# KiCad board MEP-MAXI-85V-1-REV-2-Interface-Board.kicad_pcb (continued)
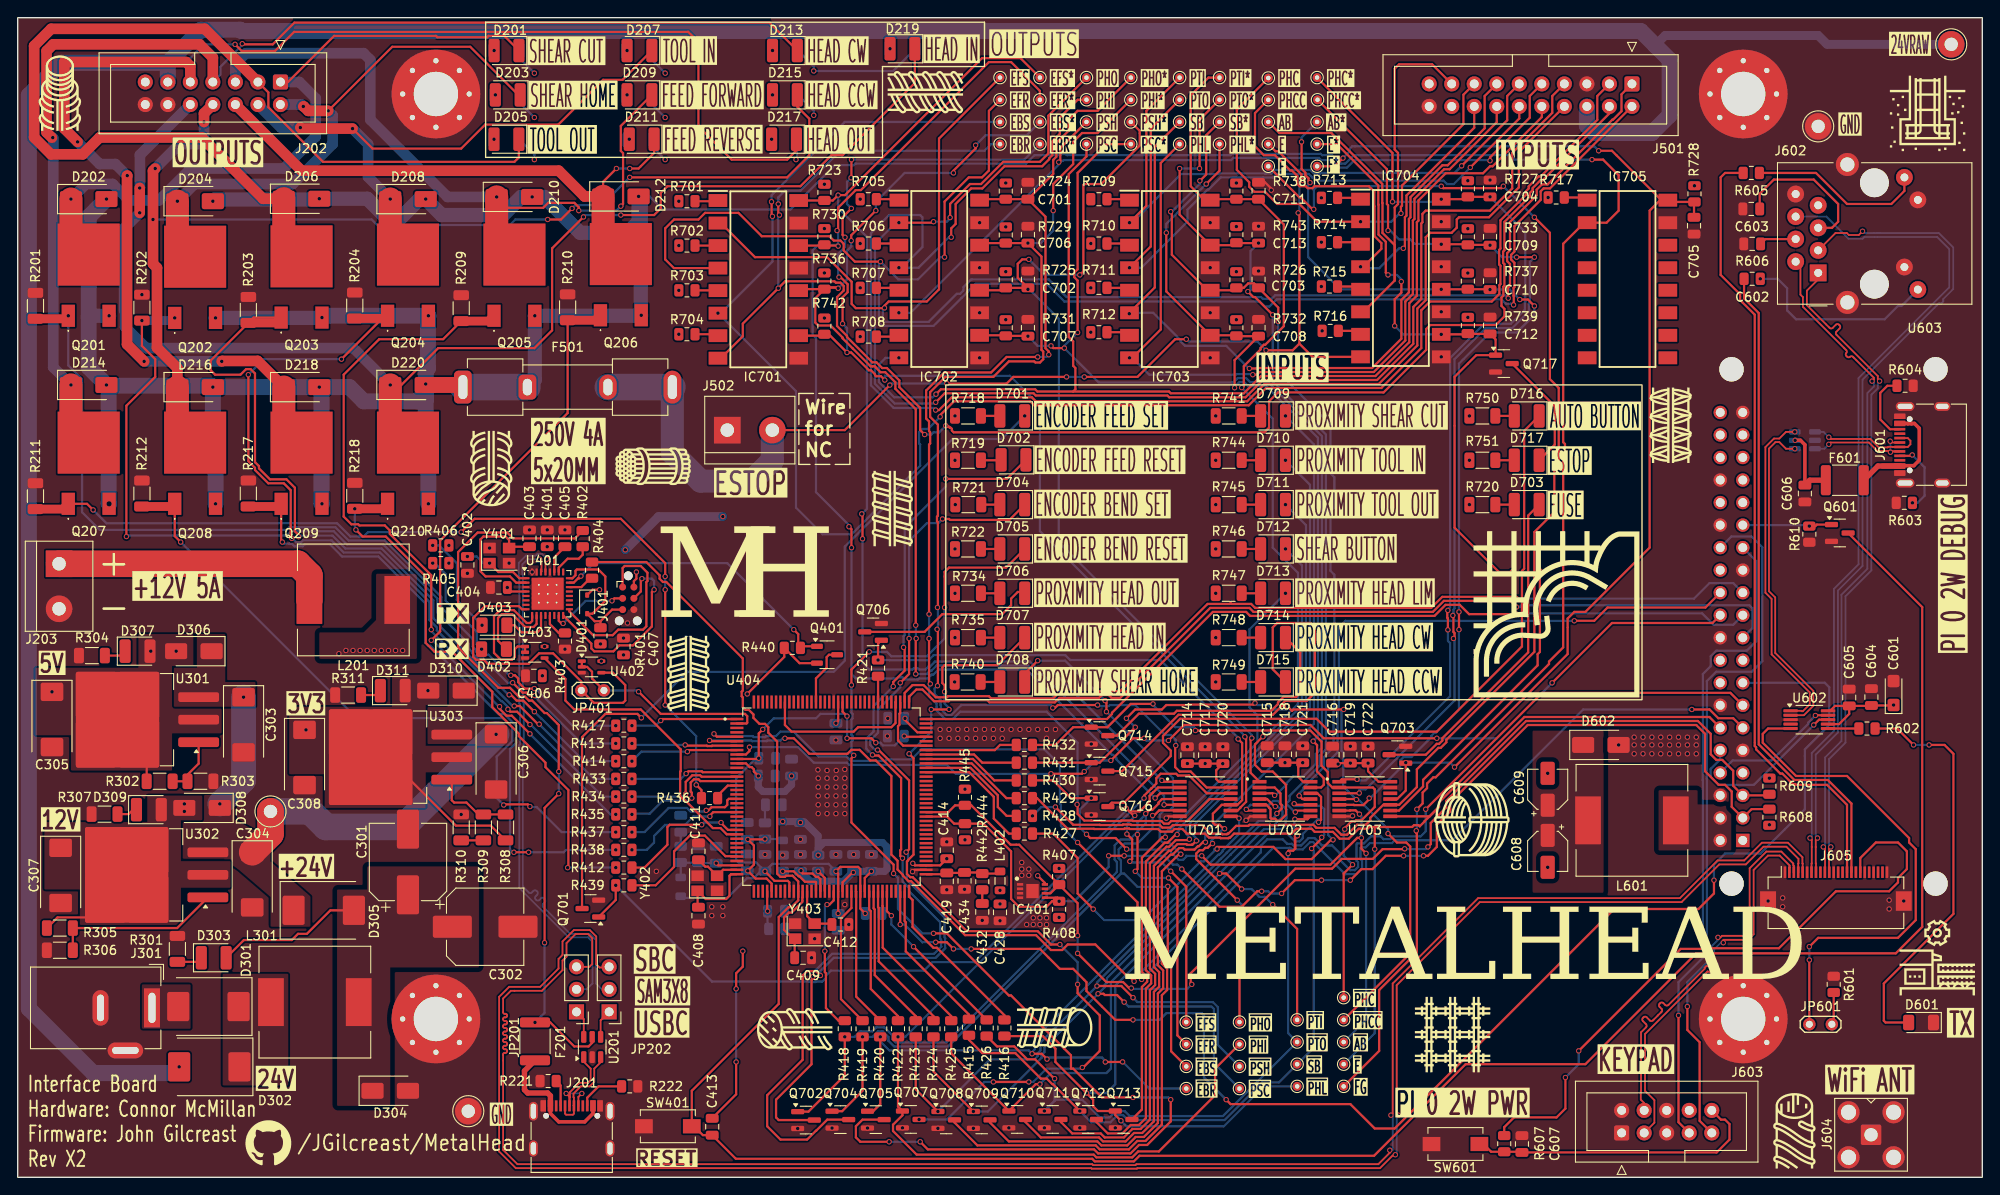
[diagram p0: board, top side]
## Routing (per net, layer and track width the routed paths; a pad name or vN(x,y) marks a point on that pad's centre or on a via; arc(x,y) is an arc through that point) (continued)
/Pi Zero 2W SBC/EPHY-TXP: length 75.6
  Top w0.2: v1(204.43,37.25) 204.23,37.05 204.23,34.42 J605.11 ; J602.R1 203,101.25 201.72,99.97 201.72,98.34 204.29,95.78 arc(204.46,95.71) 204.63,95.78 205,96.14 arc(205.17,96.21) 205.34,96.14 205.42,96.06 arc(205.49,95.89) 205.42,95.72 205.06,95.35 arc(204.99,95.18) 205.06,95.01 209.73,90.34 209.73,89.97 v1(209.93,89.78)
  Bottom w0.2: v1(204.43,37.25) 204.23,37.45 204.23,47.16 206.07,49.01 206.07,65.51 209,68.43 209,88.25 209.73,88.98 209.73,89.58 v1(209.93,89.78)
/Pi Zero 2W SBC/PC15: length 89.3
  Top w0.25: J605.15 206.25,42 204,44.25 200.5,44.25 200.4,44.35 200.13,44.35 198.95,45.52 198.73,45.52 196,48.25 196,48.47 195.85,48.63 195.85,97.26 194.19,98.92 194.19,99.56 192,101.75 192,112.75 192.5,113.25 194.54,113.25
/Pi Zero 2W SBC/PC16: length 74.1
  Top w0.25: J605.16 206.75,42.14 204.09,44.8 200.31,44.8 196.3,48.81 196.3,97.45 194.65,99.1 R606.2
/Pi Zero 2W SBC/PI0/ATSAM3X8E-RESET: length 10.1
  Top w0.25: v1(202,73.42) 202.68,73.42 202.85,73.6 Q601.1
  Bottom w0.25: U603.29 201.88,73.54 v1(202,73.42)
/Pi Zero 2W SBC/PWRON: length 71.6
  Top w0.25: R607.1 167.6,5.65 168.7,6.75 173.5,6.75 174.5,7.75 v1(174.5,11.25) ; J605.18 207.75,36 209.5,37.75 212,37.75 213,36.75 213,34.75 212,33.75 212,33.25 211,32.25 205,32.25 198.57,25.82 190.43,25.82 190.35,25.75 187.5,25.75 v1(176,14.25)
  Bottom w0.25: v1(174.5,11.25) 176,12.75 v1(176,14.25)
/Pi Zero 2W SBC/PWRSW: length 33.6
  Top w0.25: J603.10 192.04,6.5 192.5,6.5 193,6 193,4.25 191.55,2.8 C607.1 169.53,2.88 R607.2 166.12,2.88 165.25,3.75 SW601.1
/Pi Zero 2W SBC/TNOW: length 3.5
  Top w0.25: R602.2 U602.6
/Pi Zero 2W SBC/TWI2_SCL/UART3_TX: length 78.9
  Top w0.25: J603.9 189.64,6.36 189.64,15.23 188.25,16.62 v1(188.25,19.25) 188.25,19.35
  Bottom w0.25: v1(188.25,19.25) 188.25,22 190.45,24.2 190.45,44.95 190.43,44.97 190.43,46.23 190.45,46.25 190.45,55.95 191.5,57 195.5,57 196.7,58.2 196.7,71.05 195.5,72.25 193.21,72.25 U603.28
/Pi Zero 2W SBC/TWI2_SDA/UART3_RX: length 72.8
  Top w0.25: v1(187.25,18.25) 187.25,6.21 J603.7
  Bottom w0.25: v1(187.25,18.25) 187.25,22 190,24.75 190,44.76 189.98,44.78 189.98,46.42 190,46.44 190,56.75 190.88,57.63 190.88,58.75 191.51,59.38 194.95,59.38 196.03,60.46 196.03,69.47 U603.27
/Pi Zero 2W SBC/UART0_RX: length 20.1
  Top w0.25: U602.8 203.1,51.6 v1(202.5,51)
  Bottom w0.25: U603.10 191.96,47.13 190.88,46.05 190.88,45.15 191.78,44.25 195.75,44.25 v1(202.5,51)
/Pi Zero 2W SBC/UART0_TX: length 14.9
  Top w0.25: U602.9 202.72,52.1 v1(202.69,52.07)
  Bottom w0.25: v1(202.69,52.07) 202.69,52.07 201.88,51.26 201.88,51.12 197.75,47 193.36,47 U603.8
/Pi Zero 2W SBC/USB3-D+: length 45
  Top w0.2: J605.3 200.25,35.13 200.19,35.19 200.19,35.38 198.84,36.72 197.16,36.72 195.28,34.84 195.28,27.59 194.91,27.22 192.16,27.22 191.98,27.05 v1(191.7,27.05) ; v1(191.07,23.78) 190.78,23.78 190.76,23.8 190.38,23.8 190.2,23.62 190.2,23.52 186.1,19.42 arc(185.93,19.35) 185.76,19.42 185.54,19.65 arc(185.37,19.72) 185.2,19.65 185.11,19.56 arc(185.04,19.39) 185.11,19.22 185.34,19 arc(185.41,18.83) 185.34,18.66 184.36,17.68 arc(184.19,17.61) 184.02,17.68 183.65,18.05 arc(183.48,18.12) 183.31,18.05 183.23,17.96 arc(183.16,17.79) 183.23,17.62 183.6,17.25 arc(183.67,17.08) 183.6,16.91 183.03,16.34 183.03,9.75 183,9.72 183,8.75 183.38,8.37 J603.4
  Bottom w0.2: v1(191.7,27.05) 191.7,26.77 190.88,25.94 190.88,23.98 v1(191.07,23.78)
/Pi Zero 2W SBC/USB3-D-: length 44.9
  Top w0.2: J605.2 199.75,34.9 199.78,34.92 199.78,35.16 198.66,36.28 197.34,36.28 195.72,34.66 195.72,27.41 195.09,26.78 192.34,26.78 192.3,26.73 v1(192.3,26.45) ; J603.3 184.53,6.15 184.53,8.69 183.47,9.75 183.47,16.16 190.52,23.2 190.53,23.18 190.8,23.18 190.87,23.11 190.87,23.04 190.88,23.04 191.09,23.04 191.13,23 v1(191.13,22.98)
  Bottom w0.2: v1(191.13,22.98) 191.13,23 191.09,23.04 190.93,23.04 190.93,23.18 191.32,23.18 191.68,23.53 191.68,24.03 191.32,24.38 191.28,24.38 191.28,25.71 192.02,26.45 v1(192.3,26.45)
/Pi Zero 2W SBC/VUSB: length 15.2
  Top w0.4: J601.A9 213.07,85 213.1,84.96 213.54,84.96 213.57,85 213.85,85 214.4,84.45 214.4,80.85 213.79,80.24 212.24,80.24 J601.A4
  Top w0.6: F601.1 209.74,80.2 J601.A4 210.25,80.2
/Pi Zero 2W SBC/VUSB-FUSED: length 8.5
  Top w0.4: C606.1 201.5,82.6 201,83.1 v1(200.4,83.1) U601.5
  Top w0.6: F601.2 202.05,78.6 C606.1
/Pi Zero 2W SBC/~{CTS}: length 56.9
  Top w0.25: U602.5 197.35,50.6 196.75,50 196.75,49 200.5,45.25 206.25,45.25 213.25,38.25 213.25,37.75 214,37 214,29 212,27 203,27 v1(202,26) ; JP601.1 v1(202,24.5)
  Bottom w0.25: v1(202,24.5) v1(202,26)
/Signal Processing/AUTO_BUTTON: length 64.3
  Top w0.25: 155.25,101.12 151.72,97.59 IC704.6 ; 155.25,101.12 155.25,105.12 153.88,106.49 153.88,109.85 153.85,109.88 153.85,112.01 148.11,117.75 142.25,117.75 TP733.1 ; 155.25,101.12 155.25,109.37 155.62,109.74 155.62,115.51 155.25,115.89 155.25,125 155.75,125.5 159.47,125.5 J501.17
/Signal Processing/AUTO_BUTTON*: length 113.7
  Top w0.25: v1(145.71,112.16) 145.53,112.33 145.53,112.64 145.18,112.99 145.18,113.28 144.75,113.71 v1(144.75,116.75) ; v1(166,100.1) 165.96,100.14 R737.2 163.49,100.13 v1(160.5,100.13) ; U703.5 150.64,42 150.67,41.97 151.72,41.97 152.38,42.62 v1(152.38,42.75) ; v1(171,98.25) 170.28,98.97 v1(169.35,98.97) ; v1(162.5,61.75) v1(162.5,63.75)
  Bottom w0.25: v1(162.5,61.75) 162.5,52.75 159.88,50.12 159.74,50.12 159.38,49.76 159.38,49.62 157.12,47.38 156.24,47.38 155.88,47.01 155.88,46.12 152.5,42.75 v1(152.38,42.75) ; v1(166,100.1) 168.23,100.1 v1(169.35,98.97) ; v1(144.75,116.75) 144.75,117.25 TP737.1 ; v1(145.71,112.16) 145.66,112.16 145.5,112 145.5,103.75 149.12,100.13 v1(160.5,100.13) ; v1(162.5,63.75) 162.5,91.75 166,95.25 169,95.25 171,97.25 v1(171,98.25)
/Signal Processing/ENCODER_BEND_RESET: length 182.3
  Top w0.25: v1(104.64,84.74) 104.69,84.74 104.74,84.69 104.85,84.69 104.94,84.6 104.95,84.6 104.97,84.63 104.99,84.63 105.11,84.51 105.11,84.51 105.12,84.51 105.14,84.51 105.14,84.51 105.21,84.51 105.33,84.39 105.33,84.2 105.53,84 140.56,84 141.09,84.53 141.09,87.5 142.09,88.5 154,88.5 158.8,93.3 158.8,95.65 159.25,96.1 166.65,96.1 167.62,97.08 167.62,97.92 167.29,98.25 167.29,99.21 167.5,99.42 167.5,100.41 167.62,100.53 167.62,102.97 167.47,103.12 167.47,104.38 167.62,104.53 167.62,107.73 170.5,110.6 170.5,111 170.81,111.31 170.81,111.55 171.67,112.41 171.91,112.41 179.46,119.96 J501.4 ; v1(85.75,109.75) 85.75,108.66 85.88,108.53 v1(85.88,108.5) ; IC701.8 79.28,92.36 81.75,94.84 81.75,96.25 v1(85.75,100.25) 86.53,101.03 92.09,101.03 92.24,100.88 92.76,100.88 93.12,100.51 93.12,99.99 92.38,99.24 92.38,95.99 93.5,94.87 93.5,94.74 96.35,91.89 96.82,91.89 97.47,91.25 98,91.25 99.4,89.85 99.4,89.1 101.7,86.8 101.7,86.8 101.75,86.75 101.75,84.25 v1(102.25,83.75)
  Bottom w0.25: v1(85.75,109.75) 85.75,110.5 86.5,111.25 88.25,111.25 92.75,115.75 109,115.75 109.75,116.5 TP743.1 ; v1(85.88,108.5) 85.85,108.5 85.75,108.4 v1(85.75,100.25) ; v1(104.64,84.74) 103.9,84 103.25,84 103,83.75 v1(102.25,83.75)
/Signal Processing/ENCODER_BEND_RESET*: length 133.7
  Top w0.25: IC701.10 91.6,94.9 v1(93.5,93) 93.97,93 95.98,90.99 96.2,90.99 96.66,90.54 96.66,90.44 96.78,90.32 97.33,90.32 v1(97.76,89.89) ; U701.9 137.53,41.35 137.88,41.69 137.88,41.72 138.5,42.34 138.5,49.52 v1(138.36,49.67) ; v1(94,114.75) 94,112.75 v1(93.96,112.71) ; v1(92.6,101.5) 92.77,101.5 93.58,100.7 93.58,99.8 93,99.23 v1(93,96.25) ; v1(93.27,105.99) 93,106.27 93,108.25 93.99,109.24 v1(93.99,109.25)
  Bottom w0.25: v1(97.76,89.89) 97.76,90.36 97.78,90.38 111.88,90.38 115.25,87 115.25,72.87 138.38,49.74 138.38,49.67 138.37,49.67 v1(138.36,49.67) ; v1(94,114.75) 113.5,114.75 TP747.1 ; v1(93.96,112.71) 93.5,112.25 93.5,109.74 v1(93.99,109.25) ; v1(93.27,105.99) 93.27,104.89 92.5,104.12 92.5,101.6 v1(92.6,101.5) ; v1(93,96.25) 93.5,95.75 v1(93.5,93)
/Signal Processing/ENCODER_BEND_SET: length 197.1
  Top w0.25: v1(84.99,110) 85,109.99 85,108.55 85.1,108.45 85.1,108.36 v1(85.09,108.35) ; J501.3 178.1,121.93 178.1,119.23 171.72,112.86 171.48,112.86 170.36,111.73 170.36,111.5 170.05,111.19 170.05,110.79 167.18,107.91 167.18,104.72 167.03,104.57 167.03,102.93 167.18,102.78 167.18,100.72 167.05,100.59 167.05,99.6 166.2,98.75 159.23,98.75 158.25,97.77 158.25,93.5 153.75,89 140.75,89 138.8,87.05 114.61,87.05 114.16,87.5 105.57,87.5 104,85.94 v1(104,85.75)
  Bottom w0.25: v1(104,85.75) 102.62,84.38 101.99,84.38 101.62,84.01 101.62,82.74 101.75,82.62 101.75,80.25 94,72.5 90.75,72.5 87.75,75.5 87.75,88.64 v1(78.95,97.44) 79.28,97.44 85.09,103.26 v1(85.09,108.35) ; TP730.1 93.25,119 85,110.75 85,110.01 v1(84.99,110)
/Signal Processing/ENCODER_BEND_SET*: length 127.6
  Top w0.25: v1(93.97,105.61) 93.97,106.22 v1(96.75,109) ; 92.42,100.33 v1(92.5,100.25) 92.42,100.33 ; 92.42,100.33 91.13,100.33 ; 92.42,100.33 91.13,100.33 ; R736.2 89.92,99.12 89.92,96.38 90.25,96.05 91.65,96.05 93,94.69 93,94.61 94.16,93.45 94.16,93.45 96.16,91.44 96.39,91.44 96.64,91.44 96.8,91.28 96.8,91.25 97.27,90.78 97.82,90.78 98.95,89.64 98.95,88.91 101.25,86.61 v1(101.25,62.25) ; R736.2 91.13,100.33 ; R736.2 88.22,100.15 IC701.12 ; R736.2 91.13,100.33 ; v1(101.3,60.75) 101.25,60.7 v1(101.25,56.75) ; v1(105.5,113.25) 105.5,113.5 108,116 v1(108,116.38) ; U701.5 v1(129.25,42)
  Bottom w0.25: v1(105.5,113.25) 100,113.25 96.75,110 v1(96.75,109) ; v1(93.97,105.61) 93.97,104.95 93.5,104.48 93.5,101.25 v1(92.5,100.25) ; v1(101.3,60.75) 101.25,60.8 v1(101.25,62.25) ; TP734.1 113.75,117.5 109.12,117.5 v1(108,116.38) ; v1(101.25,56.75) 102.48,56.75 102.86,57.13 103.04,57.13 103.61,57.7 113.94,57.7 114.89,56.75 115.5,56.75 129.25,43 v1(129.25,42)
/Signal Processing/ENCODER_FEED_RESET: length 178.8
  Top w0.25: v1(168.66,98.37) 168.68,98.39 168.68,99.38 168.66,99.41 168.66,100.29 168.75,100.38 168.75,103.12 168.38,103.49 168.38,104.01 168.75,104.38 168.75,107.25 171.71,110.21 171.71,111.18 172.04,111.51 172.76,111.51 J501.2 ; v1(104.5,103.75) 104.5,110.02 107.23,112.75 108.73,112.75 109.5,113.52 109.5,120.25 TP717.1 ; v1(97.28,103.25) 94.38,103.25 93.12,104.51 93.12,105.26 92.76,105.62 92.01,105.62 91.52,106.11 83.89,106.11 81.25,108.75 77.5,108.75 76.75,108 74,108 73,107 73,103.5 73.98,102.52 IC701.4
  Bottom w0.25: v1(168.66,98.37) 168.52,98.5 168.31,98.5 167.79,98.5 167.29,99 141.96,99 141.13,98.18 140.62,98.18 140.05,98.75 118,98.75 116,100.75 108,100.75 107.08,99.83 107.08,99.8 106.45,99.17 106.42,99.17 103.25,96 97.5,96 97.1,96.4 97.1,103.08 v1(97.28,103.25) 99.28,101.25 101.5,101.25 104,103.75 v1(104.5,103.75)
/Signal Processing/ENCODER_FEED_RESET*: length 137.9
  Top w0.25: 92.5,106.88 v1(92.38,106.75) 92.5,106.88 ; 92.5,106.88 92.5,109.34 94.48,111.32 95.07,111.32 109.5,125.75 112,125.75 115.25,122.5 TP721.1 ; v1(128.24,42.76) 128.26,42.76 128.8,43.3 U701.3 ; v1(93.72,73.36) 94,73.08 94,71 v1(94.01,70.99) ; IC701.14 92.44,105.06 v1(92.5,105)
  Bottom w0.25: v1(94.01,70.99) 94,70.98 94,56.75 94.5,56.25 99.12,56.25 99.24,56.38 99.76,56.38 100.01,56.12 101.51,56.12 101.63,56.25 102.62,56.25 103.05,56.68 103.22,56.68 103.79,57.25 113.75,57.25 123.38,47.62 123.51,47.62 123.88,47.26 123.88,47.12 v1(128.24,42.76) ; v1(92.38,106.75) 92.5,106.62 v1(92.5,105) 92.35,105.15 90.25,105.15 89.62,104.52 89.62,94.99 90,94.62 90,77.25 93.73,73.52 93.73,73.36 v1(93.72,73.36)
/Signal Processing/ENCODER_FEED_SET: length 164.2
  Top w0.25: v1(168.05,99.12) 168.05,99.12 168.03,99.12 168.01,99.14 168.01,100.28 168.25,100.52 168.25,102.98 167.93,103.3 167.93,104.2 168.25,104.52 168.25,107.71 171.26,110.73 171.26,111.36 171.86,111.96 172.49,111.96 179.79,119.25 179.86,119.25 180.82,120.21 180.82,122.11 J501.1 ; IC701.2 79.28,107.6 83.12,103.75 91.25,103.75 94.03,100.97 94.03,98.47 94.5,98 97.7,98 v1(97.72,98.03) 97.72,98.28 98.2,98.75 102.5,98.75 103.88,100.12 103.88,117.12 TP701.1
  Bottom w0.25: v1(168.05,99.12) 167.73,99.45 141.77,99.45 141.38,99.06 140.37,99.06 140.18,99.25 118.25,99.25 116.25,101.25 107.5,101.25 106.62,100.38 106.62,99.99 106.26,99.62 105.88,99.62 102.7,96.45 97.8,96.45 97.55,96.7 97.55,97.85 v1(97.72,98.03)
/Signal Processing/ENCODER_FEED_SET*: length 131.3
  Top w0.25: v1(129,44.75) 129.15,44.6 U701.1 ; TP706.1 113.05,126.2 108.73,126.2 93.28,110.75 v1(92.5,110.75) 91.89,110.14 IC701.16 ; v1(95.25,72) 95.25,74.72 v1(95.17,74.8)
  Bottom w0.25: v1(92.5,110.75) 92.5,109.3 95.75,106.05 95.75,75.38 v1(95.17,74.8) ; v1(95.25,72) 95.25,58 96,57.25 100.87,57.25 100.99,57.38 101.51,57.38 101.63,57.25 102.35,57.25 102.68,57.58 102.85,57.58 103.42,58.15 114.12,58.15 115.02,57.25 116.5,57.25 v1(129,44.75)
/Signal Processing/ESTOP: length 128.4
  Top w0.25: v1(131.75,94.5) 130.5,94.5 126.25,90.25 v1(120.25,90.25) ; 144.5,94 143.75,93.25 v1(140.75,93.25) ; 144.5,94 145.99,92.51 IC704.8 ; 144.5,94 144.5,108.62 v1(144.37,108.75) ; J502.2 93.25,84.25 v1(98.33,89.33) ; TP746.1 141.8,115.7 142.12,115.7 144.73,113.09 144.73,112.56 v1(144.91,112.39) ; v1(118.25,90.25) 112.25,90.25 111.5,89.5 v1(104.75,89.5)
  Bottom w0.25: v1(104.75,89.5) 98.5,89.5 v1(98.33,89.33) ; v1(131.75,94.5) 132,94.25 139.75,94.25 v1(140.75,93.25) ; v1(144.37,108.75) 144.5,108.88 144.5,112.29 144.59,112.39 v1(144.91,112.39) ; v1(120.25,90.25) v1(118.25,90.25)
  Bottom w2.6: F501.2 73.81,81.69 77,78.5 82.75,78.5 85.08,80.83 J502.2
  Bottom w3: F501.2 F501.2
/Signal Processing/ESTOP*: length 109.5
  Top w0.25: U703.9 155.74,41.35 158.45,44.06 158.45,44.81 171.36,57.73 171.36,58.98 171.62,59.24 v1(171.62,68.36) ; v1(168.5,68.25) 167,68.25 162,73.25 162,90.25 164.45,92.7 Q717.1 166.62,94.47 C712.1 163.9,95.1 163.86,95.14 R739.2 163.41,95.05 v1(160.5,95.05) ; TP750.1 148.73,116.5 153.4,111.83 153.4,109.69 153.43,109.67 153.43,106.3 154.25,105.48 154.25,102 v1(154.5,101.75) ; v1(156,101) 156,99.75 155.25,99 v1(155.25,96)
  Bottom w0.25: v1(171.62,68.36) 171.29,68.36 171.17,68.25 v1(168.5,68.25) ; v1(156,101) 156,101.25 155.5,101.75 v1(154.5,101.75) ; v1(160.5,95.05) 156.2,95.05 v1(155.25,96)
/Signal Processing/FUSE*: length 134.1
  Top w0.25: v1(149.42,114.92) 148.5,114 TP710.1 ; IC705.16 185.18,110.18 184,109 184,71 176.75,63.75 175.5,63.75 174.75,63 174.75,59 v1(162,46.25) ; IC705.16 186.25,109.98 R728.2 189,109.93 C705.1 ; IC705.16 185.32,110.18 179.75,115.75 v1(178.25,115.75) ; U703.11 155.53,42.65 156.5,43.61 Q703.1
  Bottom w0.25: v1(178.25,115.75) 177.74,116.26 150.76,116.26 150.75,116.25 150.45,116.25 150.18,115.99 150.18,115.68 v1(149.42,114.92) ; v1(156.5,46.75) 161.5,46.75 v1(162,46.25)
/Signal Processing/PROXIMITY_HEAD_CCW: length 57.2
  Top w0.25: v1(151.4,102.67) 151.72,102.67 153.75,104.69 153.75,105.34 152.97,106.12 152.97,109.48 152.95,109.5 152.95,111.14 152.34,111.75 146.19,111.75 145.97,111.53 145.45,111.53 145.23,111.75 144.54,111.75 144.28,112.01 144.28,112.9 143.65,113.53 143.47,113.53 141.75,115.25 140.5,115.25 139.5,116.25 139.5,120 TP720.1 ; J501.16 164.22,118.35 156.58,110.71 156.58,108.43 156.4,108.25 156.4,104.92 v1(156.22,104.75)
  Bottom w0.25: v1(151.4,102.67) 151.57,102.5 153.5,102.5 155.75,104.75 156.22,104.75 v1(156.22,104.75)
/Signal Processing/PROXIMITY_HEAD_CCW*: length 109
  Top w0.25: U703.3 151.23,43.3 v1(151.25,43.33) ; TP724.1 154.38,113.67 154.38,109.74 154.5,109.62 v1(154.5,106.75) ; v1(166,105.1) 165.96,105.14 R733.2 163.43,105.21 v1(160.5,105.21) ; v1(171,103.75) v1(169,103.75) ; v1(161.81,63.35) 161.88,63.28 161.88,61.49 162,61.37 162,60.88 v1(161.88,60.75)
  Bottom w0.25: v1(160.5,105.21) 160.46,105.25 157.5,105.25 157,105.75 155.75,105.75 154.75,106.75 v1(154.5,106.75) ; v1(169,103.75) 167.35,103.75 v1(166,105.1) ; v1(151.25,43.33) 151.25,43.62 151.38,43.75 152,43.75 155.43,47.17 155.43,47.2 156.05,47.83 156.07,47.83 162,53.75 162,60.62 v1(161.88,60.75) ; v1(161.81,63.35) 161.88,63.42 161.88,64.01 162,64.13 162,92.25 165.5,95.75 168.5,95.75 170.38,97.62 170.38,98.48 170.43,98.53 170.43,98.56 170.5,98.63 170.5,103.23 171,103.73 v1(171,103.75)
/Signal Processing/PROXIMITY_HEAD_CW: length 51.5
  Top w0.25: v1(155.95,108.69) 155.95,109.43 156.07,109.55 156.07,111.83 163,118.75 163,122.07 J501.15 ; v1(151.4,107.75) 146.5,107.75 144.5,109.75 142,109.75 140.63,111.12 139.43,111.12 138.85,111.69 138.85,112.2 137.45,113.6 137.45,120.4 TP704.1
  Bottom w0.25: v1(155.95,108.69) 155.82,108.69 154.88,107.75 v1(151.4,107.75)
/Signal Processing/PROXIMITY_HEAD_CW*: length 108.8
  Top w0.25: v1(155,110) 155,115.5 TP709.1 ; v1(151,44.88) 149.28,44.88 U703.1 ; v1(161.25,61.73) 161.25,63.02 161.18,63.09 161.18,63.86 v1(161.25,63.92) ; v1(160.5,110.29) 163.24,110.29 R727.2 v1(166,110.55)
  Bottom w0.25: v1(151,44.88) 151.12,44.75 152,44.75 161.5,54.25 161.5,60.24 161.25,60.49 v1(161.25,61.73) ; v1(160.5,110.29) 160.21,110 v1(155,110) ; v1(161.25,63.92) 161.25,64.02 161.5,64.27 161.5,92.39 165.36,96.25 168.36,96.25 169.93,97.81 169.93,98.66 169.98,98.71 169.98,106.57 v1(166,110.55)
/Signal Processing/PROXIMITY_HEAD_IN: length 167.2
  Top w0.25: J501.8 169.25,115.62 169.25,111.62 165.88,108.25 162.5,108.25 162.25,108 162.25,107.07 161.68,106.5 159.25,106.5 158.75,106 158.75,98.9 157.8,97.95 157.8,93.8 153.45,89.45 140.56,89.45 138.61,87.5 114.79,87.5 114.34,87.95 105.31,87.95 103.87,86.51 v1(103.5,86.51) ; TP718.1 119.5,121.5 117.5,119.5 117.5,117.66 116.65,116.81 116.65,115.26 116.3,114.91 116.3,114.8 115.5,114 111.25,114 108.75,111.5 107.5,111.5 105.75,109.75 105.75,107.5 105.25,107 v1(105.25,106)
  Bottom w0.25: v1(103.5,86.51) 103.49,86.51 103.25,86.75 98.75,86.75 96.2,89.3 96.2,106.45 98.25,108.5 101.75,108.5 102,108.25 102,104.88 99.67,102.56 v1(99.35,102.56) 101.56,102.56 105,106 v1(105.25,106)
/Signal Processing/PROXIMITY_HEAD_IN*: length 133
  Top w0.25: v1(130.57,48.68) 130.5,48.62 130.5,46.25 131,45.75 132.25,45.75 134.05,43.95 U701.13 ; v1(121.75,53.25) 117.27,53.25 116.95,52.93 v1(116.7,52.93) ; IC702.14 108.69,105.34 R729.2 v1(113.9,105.34) 115.43,103.81 115.43,93.3 115.62,93.1 115.62,92.24 115.26,91.88 114.74,91.88 114.62,92 111.75,92 110,90.25 104.6,90.25 102.87,88.53 102.87,85.74 103.75,84.87 103.75,74.6 103.64,74.49 103.64,73.97 103.75,73.87 103.75,64.3 v1(103.7,64.25) ; v1(103.7,55.43) 103.75,55.47 103.75,61.7 v1(103.66,61.79) ; v1(116.75,109) 116.75,112 119,114.25 119,116.75 120,117.75 121.75,117.75 TP722.1
  Bottom w0.25: v1(103.7,55.43) 103.66,55.43 103.38,55.14 103.38,54.49 104.05,53.82 104.05,53.22 104.08,53.2 104.08,52.79 104.74,52.12 105.26,52.12 106.38,53.25 116.5,53.25 116.63,53.12 116.63,53.05 116.7,52.98 v1(116.7,52.93) ; v1(103.66,61.79) 103.74,61.79 103.75,61.8 103.75,64.2 v1(103.7,64.25) ; v1(113.9,105.34) 115.34,105.34 116.75,106.75 v1(116.75,109) ; v1(130.57,48.68) 130.57,49.32 130.01,49.88 129.38,49.88 126,53.25 123.13,53.25 123.01,53.12 121.88,53.12 v1(121.75,53.25)
/Signal Processing/PROXIMITY_HEAD_LIM: length 91.2
  Top w0.25: v1(125.35,92.4) 125.68,92.4 128.88,95.6 128.88,114.38 TP745.1 ; v1(139.25,90.5) 139.7,90.5 140,90.8 152.89,90.8 156.45,94.36 156.45,98.75 157.3,99.6 157.3,107.88 157.48,108.06 157.48,110.33 160.81,113.66 161.45,113.66 166.76,118.98 J501.14
  Bottom w0.25: v1(125.35,92.4) 125.68,92.4 127.57,90.5 137.3,90.5 137.37,90.57 139.18,90.57 v1(139.25,90.5)
/Signal Processing/PROXIMITY_HEAD_LIM*: length 92.3
  Top w0.25: v1(129.5,106.5) 129.5,99.89 IC703.10 137.34,94.94 R732.2 137.63,94.88 137.66,94.84 C708.1 137.2,92.14 v1(137.2,89.03) ; U702.13 146.95,43.95 147.25,44.25 147.25,45 146.5,45.75 146.5,48.73 v1(146.06,49.17) ; v1(134,112) 135.5,113.5 TP749.1
  Bottom w0.25: v1(137.2,89.03) 137.2,89.13 137.74,89.67 138.26,89.67 138.73,89.2 140.78,89.2 146.6,83.38 146.6,49.73 146.31,49.45 146.29,49.45 146.05,49.2 146.06,49.18 v1(146.06,49.17) ; v1(129.5,106.5) 129.5,107.5 v1(134,112)
/Signal Processing/PROXIMITY_HEAD_OUT: length 156.2
  Top w0.25: J501.7 173.02,121.93 173.02,120.02 168.5,115.51 168.5,111.5 166,109 158.75,109 158.38,108.63 158.38,107.69 158.25,107.56 158.25,99.04 157.35,98.14 157.35,93.99 153.26,89.9 140.38,89.9 138.43,87.95 129.82,87.95 129.62,88.15 114.78,88.15 114.53,88.4 104.52,88.4 v1(103.5,87.39) ; TP702.1 116.2,119.7 116.2,115.45 115.25,114.5 111.11,114.5 108.61,112 107.36,112 105.12,109.76 v1(105.12,108.22) ; v1(103.25,107.75) 103.14,107.64 v1(99.35,107.64)
  Bottom w0.25: v1(103.25,107.75) 104.75,107.75 105.13,108.13 105.13,108.22 v1(105.12,108.22) ; v1(99.35,107.64) 99.03,107.64 96.65,105.27 96.65,89.49 98.89,87.25 103.37,87.25 v1(103.5,87.39)
/Signal Processing/PROXIMITY_HEAD_OUT*: length 141.2
  Top w0.25: v1(102.75,63.5) 102.75,82.62 102.88,82.74 102.88,84.01 102.75,84.13 102.75,85.23 102.42,85.56 102.42,88.71 104.46,90.75 109.75,90.75 111.5,92.5 v1(115,92.5) ; U701.11 134.38,42.65 131.9,40.17 130.05,40.17 129.76,39.88 129.24,39.88 128.95,40.17 125.75,40.17 125.69,40.23 124.43,40.23 124.37,40.17 122.22,40.17 122.19,40.2 121.07,40.2 121.05,40.22 120.25,40.22 119.5,40.97 119.5,41.98 v1(119.44,42.04) ; v1(102.89,55.63) 102.75,55.77 v1(102.75,60.75) ; C701.1 116.75,113.14 116.75,114.72 117.1,115.07 117.1,116.62 118.5,118.02 118.5,119.25 119.5,120.25 121.75,120.25 TP707.1 ; C701.1 115.88,108.31 115.88,93.49 116.25,93.12 v1(116.25,92.75) ; C701.1 R724.2 108.56,110.29 IC702.16
  Bottom w0.25: v1(119.44,42.04) 119.5,42.1 119.5,49 116,52.5 106.27,52.5 105.45,51.67 104.55,51.67 103.62,52.6 103.62,53.01 103.6,53.03 103.6,53.4 102.75,54.25 102.75,55.5 102.88,55.63 v1(102.89,55.63) ; v1(116.25,92.75) 116,92.5 v1(115,92.5) ; v1(102.75,60.75) v1(102.75,63.5)
/Signal Processing/PROXIMITY_SHEAR_CUT: length 132.5
  Top w0.25: 119,88.6 129.81,88.6 130.01,88.4 138.24,88.4 140.19,90.35 153.08,90.35 156.9,94.17 156.9,98.56 157.75,99.41 157.75,107.69 157.93,107.87 157.93,110.15 161,113.21 165.21,113.21 166,114 166.29,114 171.84,119.55 J501.10 ; 119,88.6 119.25,88.85 119.25,91.25 119,91.5 119,94.25 118.5,94.75 118.5,113.11 120.5,115.11 TP744.1 ; 119,88.6 114.97,88.6 114.72,88.85 104.08,88.85 v1(103.53,88.3)
  Bottom w0.25: v1(99.35,92.4) 97.85,92.4 97.1,91.65 97.1,89.67 98.82,87.95 103.18,87.95 v1(103.53,88.3)
/Signal Processing/PROXIMITY_SHEAR_CUT*: length 117
  Top w0.25: v1(141.71,43.07) 141.48,43.3 U702.3 ; TP748.1 122.75,116.5 119.5,113.25 119.5,102.38 119.12,102.01 119.12,101.49 119.5,101.12 v1(119.5,95.25) ; v1(113.9,94.84) 113.86,94.88 R731.2 111.34,94.94 IC702.10 ; v1(116.5,93.75) 116.75,93.5 v1(118,93.5)
  Bottom w0.25: v1(116.5,93.75) 114.99,93.75 v1(113.9,94.84) ; v1(119.5,95.25) 118,93.75 v1(118,93.5) 121.88,89.62 136.96,89.62 136.99,89.65 137.09,89.65 137.56,90.12 138.48,90.12 138.95,89.65 140.96,89.65 147.05,83.56 147.05,48.44 146.35,47.74 146.35,46.6 144.95,45.2 143.81,45.2 143.05,44.44 143.05,44.3 141.82,43.07 v1(141.71,43.07)
/Signal Processing/PROXIMITY_SHEAR_HOME: length 91.9
  Top w0.25: v1(117.38,114.46) 117.55,114.64 117.55,116.05 TP731.1 ; v1(166,114.62) 166,115 170.48,119.48 170.48,121.93 J501.9
  Bottom w0.25: v1(166,114.62) 165.78,114.62 165.7,114.7 150.72,114.7 149.87,113.85 148.98,113.85 148.12,114.7 146.97,114.7 146.72,114.95 137.06,114.95 136.81,114.7 117.95,114.7 117.86,114.61 117.68,114.61 117.55,114.47 117.38,114.47 v1(117.38,114.46) 117.44,114.4 117.44,114.26 100.67,97.48 v1(99.35,97.48)
/Signal Processing/PROXIMITY_SHEAR_HOME*: length 104.9
  Top w0.25: v1(113.9,100.12) 113.74,100.29 R725.2 111.04,100.29 110.77,100.02 IC702.12 ; TP735.1 126.5,118 126.5,116.33 122.17,112 120.25,112 120.15,111.9 120.15,102.15 v1(119.75,101.75) ; v1(114,103.5) 113.25,103.5 112.75,103 112.75,101.44 C702.1 ; U702.1 139,45.61 139,49.36 139.14,49.51 v1(139.14,49.53)
  Bottom w0.25: v1(114,103.5) 115.75,101.75 v1(119.75,101.75) ; v1(113.9,100.12) 114.06,100.12 117.38,96.81 117.38,71.62 139.14,49.86 v1(139.14,49.53)
/Signal Processing/PROXIMITY_TOOL_IN: length 71.1
  Top w0.25: v1(125.35,107.64) 127.25,109.54 127.25,120.25 TP703.1 ; J501.11 167.94,121.93 167.94,119.19 v1(162.8,114.05)
  Bottom w0.25: v1(125.35,107.64) 125.68,107.64 131.16,113.12 135.37,113.12 135.45,113.2 140.63,113.2 140.66,113.17 141.34,113.17 141.75,113.58 145.75,113.58 146.16,113.17 146.84,113.17 146.92,113.25 162,113.25 v1(162.8,114.05)
/Signal Processing/PROXIMITY_TOOL_IN*: length 107
  Top w0.25: TP708.1 134.25,124 132.25,122 132.25,111.75 133.82,110.18 IC703.16 134.56,110.29 R738.2 C711.1 142.75,107.44 142.75,95.97 140.65,93.88 140.49,93.88 140.12,93.51 140.12,93.35 138.24,91.46 138.24,89.21 138.07,89.04 v1(138,89.04) ; v1(140.39,49.67) 140.36,49.67 139.5,48.82 139.5,46.5 140.25,45.75 141.5,45.75 143,44.25 143,40.89 142.31,40.2 142,40.2 141.78,40.43 141.34,40.43 141.25,40.52 141.25,41.5 141.12,41.63 141.12,41.66 140.78,42 U702.5
  Bottom w0.25: v1(138,89.04) 141.5,85.54 141.5,71 144.35,68.15 144.35,53.4 140.63,49.67 v1(140.39,49.67)
/Signal Processing/PROXIMITY_TOOL_OUT: length 75.3
  Top w0.25: J501.12 169.3,119.39 v1(163.77,113.87) ; TP719.1 127.75,118.25 127.75,104.96 v1(125.35,102.56)
  Bottom w0.25: v1(125.35,102.56) 126.69,102.56 131.89,107.76 131.89,109.1 134.16,111.38 134.26,111.38 135.63,112.75 140.45,112.75 140.47,112.72 141.53,112.72 141.94,113.13 145.56,113.13 145.97,112.72 146.16,112.72 146.51,112.38 160.76,112.38 161.13,112 161.91,112 v1(163.77,113.87)